# Altium PCB Mag256_9mm.PcbDoc (part 4 of 6) (continued)
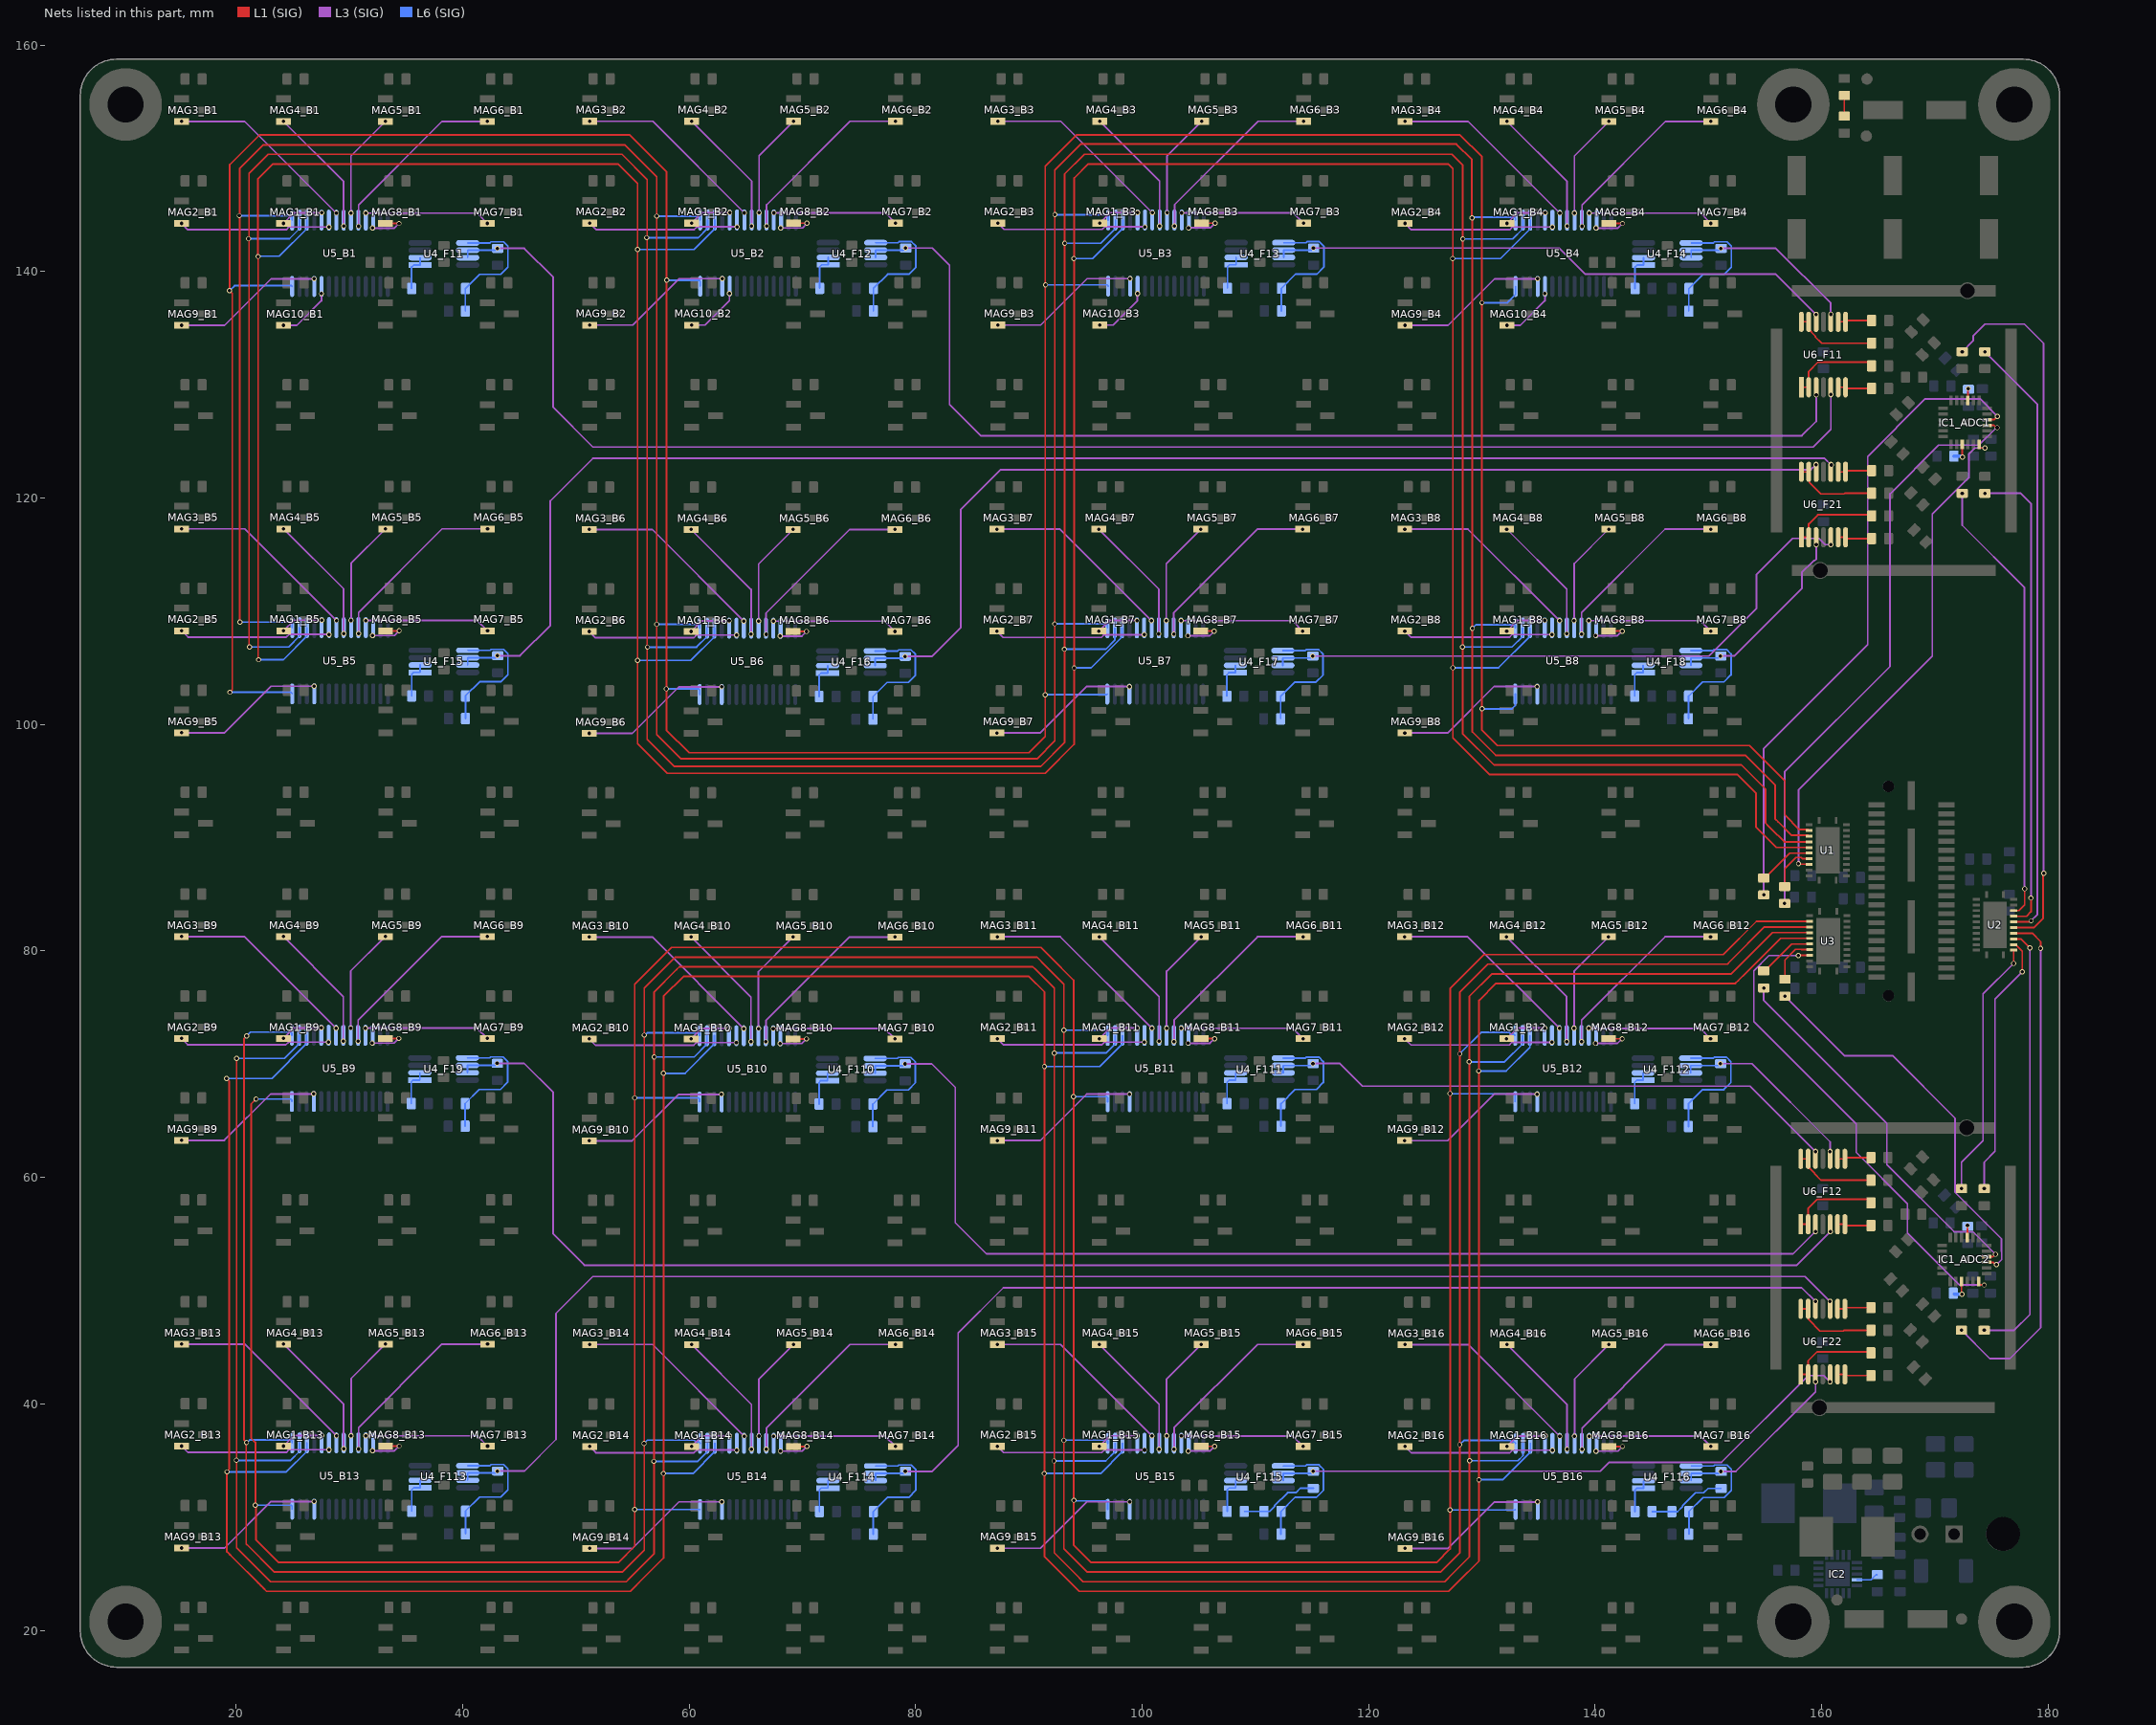
[diagram p8: the nets of this part, all layers, seen from the top]
## Nets (pads, with @x,y where several pads share a name; then routed paths per layer and width w, separated by ;. In a path a pad name is that pad's centre, name@x,y a point inside that pad or via, vN(x,y) a via of type N, cw(c..) or ccw(c..) an arc to the next point about the centre after c; other vN are vias at no path point) (continued)
NetU3_16: U3.16 U5_B9.15 U5_B10.15 U5_B11.15 U5_B12.15 U5_B13.15 U5_B14.15 U5_B15.15 U5_B16.15 | length 378.4
  L1 (SIG) w0.152: v1@20.898,36.597 20.898,27.647 21.147,27.397 23.147,25.397 23.397,25.148 54.103,25.148 54.353,25.397 56.045,27.09 56.045,76.706 58.295,78.955 58.544,79.205 58.794,79.455 90.706,79.455 90.956,79.205 91.205,78.955 93.095,77.066 93.095,27.199 94.897,25.397 95.147,25.148 126.353,25.148 126.603,25.397 128.045,26.84 128.045,76.34 130.536,78.831 151.67,78.831 151.92,79.08 154.951,82.112 U3.16@158.926,82.112 ; v1(20.922,36.597) 20.701,36.818 20.701,72.256 v1(20.945,72.5)
  L6 (SIG) w0.152: v1(20.922,36.597) 21.002,36.597 21.231,36.826 24.865,36.826 24.956,36.735 U5_B13.15@24.956,36.554 ; v1(20.945,72.5) 21.27,72.825 24.833,72.825 24.924,72.734 U5_B9.15@24.924,72.553 ; v1(56.023,36.5) 56.318,36.796 60.442,36.796 60.624,36.614 60.873,36.614 U5_B14.15@60.963,36.524 ; v1(56.053,72.561) 56.134,72.561 56.355,72.782 60.834,72.782 60.925,72.691 U5_B10.15@60.925,72.51 ; v1(93.083,73.002) 96.865,73.002 96.957,72.91 U5_B11.15@96.957,72.54 ; v1(93.105,36.776) 93.133,36.804 96.871,36.804 96.962,36.713 U5_B15.15@96.962,36.532 ; v1(128.044,36.394) 128.438,36.789 132.454,36.789 132.636,36.607 132.886,36.607 U5_B16.15@132.976,36.517 ; v1(128.047,70.911) 129.942,72.806 132.416,72.806 132.598,72.623 132.848,72.623 U5_B12.15@132.937,72.534
NetU3_17: U3.17 U5_B9.16 U5_B10.16 U5_B11.16 U5_B12.16 U5_B13.16 U5_B14.16 U5_B15.16 U5_B16.16 | length 389.6
  L1 (SIG) w0.152: v1@20.045,70.506 20.045,35.01 20.045,27.294 20.295,27.044 20.545,26.795 22.545,24.795 22.794,24.545 23.044,24.295 54.456,24.295 54.706,24.545 54.955,24.795 56.898,26.737 56.898,76.353 58.897,78.353 59.147,78.602 90.353,78.602 90.603,78.353 92.243,76.712 92.243,26.846 94.295,24.795 94.544,24.545 94.794,24.295 126.706,24.295 126.956,24.545 127.205,24.795 128.898,26.487 128.898,75.987 130.889,77.978 152.023,77.978 152.273,78.228 152.522,78.478 155.656,81.612 U3.17@158.926,81.612
  L6 (SIG) w0.152: v1(20.029,35.01) 24.812,35.01 25.606,35.804 U5_B13.16@25.606,36.554 ; v1(20.039,70.506) 24.277,70.506 25.574,71.803 U5_B9.16@25.574,72.553 ; v1(56.894,34.922) 60.762,34.922 61.613,35.774 U5_B14.16@61.613,36.524 ; v1(56.911,70.641) 60.457,70.641 61.575,71.76 U5_B10.16@61.575,72.51 ; v1(92.223,34.959) 96.789,34.959 97.612,35.782 U5_B15.16@97.612,36.532 ; v1(92.254,70.985) 96.802,70.985 97.607,71.79 U5_B11.16@97.607,72.54 ; v1(128.864,70.204) 132.008,70.204 133.587,71.784 U5_B12.16@133.587,72.534 ; v1(128.91,34.974) 133.172,34.974 133.626,35.427 U5_B16.16@133.626,36.517
NetU3_18: U3.18 U5_B9.17 U5_B10.17 U5_B11.17 U5_B12.17 U5_B13.17 U5_B14.17 U5_B15.17 U5_B16.17 | length 399
  L1 (SIG) w0.152: v1(19.162,68.742) 19.394,68.51 19.394,34.212 19.194,34.012 v1(19.194,33.993) ; v1(19.194,33.993) 19.193,26.941 19.442,26.691 19.692,26.441 19.942,26.192 21.942,24.192 22.191,23.942 22.441,23.692 22.691,23.443 54.809,23.443 55.059,23.692 55.309,23.942 55.558,24.192 57.75,26.384 57.75,76 59.5,77.75 90,77.75 91.391,76.359 91.391,26.493 93.692,24.192 93.941,23.942 94.191,23.692 94.441,23.443 127.059,23.443 127.309,23.692 127.559,23.942 127.808,24.192 129.75,26.134 129.75,75.634 131.242,77.126 152.376,77.126 152.626,77.376 152.875,77.625 153.125,77.875 156.362,81.112 U3.18@158.926,81.112
  L6 (SIG) w0.152: v1(19.162,68.742) 23.163,68.742 26.224,71.803 U5_B9.17@26.224,72.553 ; v1(19.194,33.993) 24.445,33.993 26.256,35.804 U5_B13.17@26.256,36.554 ; v1(57.721,69.188) 59.653,69.188 62.225,71.76 U5_B10.17@62.225,72.51 ; v1(57.736,33.858) 60.347,33.858 62.263,35.774 U5_B14.17@62.263,36.524 ; v1(91.359,33.854) 96.334,33.854 98.262,35.782 U5_B15.17@98.262,36.532 ; v1(91.376,69.785) 96.252,69.785 98.257,71.79 U5_B11.17@98.257,72.54 ; v1(129.727,69.396) 132.146,69.396 134.237,71.487 U5_B12.17@134.237,72.534 ; v1(129.741,33.302) 131.842,33.302 134.276,35.735 U5_B16.17@134.276,36.517
Out1: C53_F11.2 U4_F11.6 U4_F11.7 U6_F11.5 | length 138.8
  L3 (SIG) w0.152: v1(43.077,142.048) 45.452,142.048 48,139.5 48,128 51.5,124.5 159.25,124.5 160.811,126.061 160.811,129.139 v1(160.806,129.144)
  L6 (SIG) w0.152: U4_F11.7@40.45,141.225 U4_F11.6@40.45,141.875 42.904,141.875 v1(43.077,142.048)
Out2: C53_F12.2 U4_F12.6 U4_F12.7 U6_F11.3 | length 100.7
  L3 (SIG) w0.152: v1(79.106,142.066) 81.481,142.066 83,140.546 83,128.25 85.75,125.5 158.25,125.5 159.522,126.772 v1(159.522,129.118)
  L6 (SIG) w0.152: U4_F12.7@76.479,141.243 U4_F12.6@76.479,141.893 78.933,141.893 v1(79.106,142.066)
Out3: C53_F13.2 U4_F13.6 U4_F13.7 U6_F11.12 | length 50.2
  L3 (SIG) w0.152: v1(115.125,142.068) 136.815,142.068 139.124,139.759 155.961,139.759 v1(159.513,136.207)
  L6 (SIG) w0.152: U4_F13.7@112.498,141.245 U4_F13.6@112.498,141.895 114.952,141.895 v1(115.125,142.068)
Out4: C53_F14.2 U4_F14.6 U4_F14.7 U6_F11.10 | length 16
  L3 (SIG) w0.152: v1(151.1,142.048) 155.952,142.048 160.802,137.198 v1(160.802,136.223)
  L6 (SIG) w0.152: U4_F14.7@148.473,141.225 U4_F14.6@148.473,141.875 150.927,141.875 v1(151.1,142.048)
Out5: C53_F15.2 U4_F15.6 U4_F15.7 U6_F21.10 | length 135
  L3 (SIG) w0.152: v1(43.083,106.068) 45.068,106.068 47.75,108.75 47.75,119.75 51.5,123.5 160.249,123.5 v1@160.833,122.916
  L6 (SIG) w0.152: U4_F15.7@40.456,105.245 U4_F15.6@40.456,105.895 42.91,105.895 v1(43.083,106.068)
  other v1: 160.843,122.916
Out6: C53_F16.2 U4_F16.6 U4_F16.7 U6_F21.12 | length 96.9
  L3 (SIG) w0.152: v1(79.06,106.013) 81.435,106.013 84,108.578 84,119 87.5,122.5 159.054,122.5 v1(159.499,122.945)
  L6 (SIG) w0.152: U4_F16.7@76.434,105.19 U4_F16.6@76.434,105.84 78.887,105.84 v1(79.06,106.013)
Out7: C53_F17.2 U4_F17.6 U4_F17.7 U6_F21.5 | length 55.4
  L3 (SIG) w0.152: v1(115.056,106.044) 150.044,106.044 154.25,110.25 154.25,113.25 157.426,116.426 159.751,116.426 160.3,115.877 v1(160.819,115.877)
  L6 (SIG) w0.152: U4_F17.7@112.43,105.221 U4_F17.6@112.43,105.871 114.883,105.871 v1(115.056,106.044)
Out8: C53_F18.2 U4_F18.6 U4_F18.7 U6_F21.3 | length 17.4
  L3 (SIG) w0.152: v1(151.069,106.049) 152.292,106.049 158.25,112.007 158.25,113.422 159.15,114.323 cw(c159.876,113.597) 159.452,114.531 ccw(c159.401,114.641) 159.52,114.621 159.521,114.631 v1(159.521,115.871)
  L6 (SIG) w0.152: U4_F18.7@148.442,105.226 U4_F18.6@148.442,105.876 150.896,105.876 v1(151.069,106.049)
Out9: C53_F19.2 U4_F19.6 U4_F19.7 U6_F12.5 | length 137
  L3 (SIG) w0.152: v1(43.05,70.068) 45.425,70.068 48,67.493 48,55 50.75,52.25 157.816,52.25 v1(160.774,55.208)
  L6 (SIG) w0.152: U4_F19.7@40.423,69.245 U4_F19.6@40.423,69.895 42.877,69.895 v1(43.05,70.068)
Out10: C53_F110.2 U4_F110.6 U4_F110.7 U6_F12.3 | length 98.5
  L3 (SIG) w0.152: v1(79.051,70.025) 81.426,70.025 83.5,67.951 83.5,56 86.25,53.25 157.476,53.25 v1(159.442,55.216)
  L6 (SIG) w0.152: U4_F110.7@76.424,69.202 U4_F110.6@76.424,69.852 78.878,69.852 v1(79.051,70.025)
Out11: C53_F111.2 U4_F111.6 U4_F111.7 U6_F12.12 | length 50.9
  L3 (SIG) w0.152: v1(115.082,70.055) 117.457,70.055 119.46,68.051 153.68,68.051 v1(159.455,62.276)
  L6 (SIG) w0.152: U4_F111.7@112.456,69.232 U4_F111.6@112.456,69.882 114.909,69.882 v1(115.082,70.055)
Out12: C53_F112.2 U4_F112.6 U4_F112.7 U6_F12.10 | length 16.8
  L3 (SIG) w0.152: v1(151.063,70.049) 153.834,70.049 160.746,63.137 v1(160.746,62.27)
  L6 (SIG) w0.152: U4_F112.7@148.436,69.226 U4_F112.6@148.436,69.876 150.89,69.876 v1(151.063,70.049)
Out13: C53_F113.2 U4_F113.6 U4_F113.7 U6_F22.10 | length 135.6
  L3 (SIG) w0.152: v1(43.082,34.069) 45.457,34.069 48.25,36.862 48.25,48 51.5,51.25 158.526,51.25 v1(160.743,49.032)
  L6 (SIG) w0.152: U4_F113.7@40.455,33.246 U4_F113.6@40.455,33.896 42.909,33.896 v1(43.082,34.069)
Out14: C53_F114.2 U4_F114.6 U4_F114.7 U6_F22.12 | length 96.7
  L3 (SIG) w0.152: v1(79.089,34.039) 81.464,34.039 83.75,36.325 83.75,46.25 87.75,50.25 158.235,50.25 v1(159.447,49.038)
  L6 (SIG) w0.152: U4_F114.7@76.462,33.216 U4_F114.6@76.462,33.866 78.916,33.866 v1(79.089,34.039)
Out15: C53_F115.2 U4_F115.6 U4_F115.7 U6_F22.5 | length 52.7
  L3 (SIG) w0.152: v1(115.088,34.047) 140.457,34.047 141.249,34.839 151.156,34.839 158.815,42.498 160.188,42.498 v1(160.742,41.943)
  L6 (SIG) w0.152: U4_F115.7@112.461,33.224 U4_F115.6@112.461,33.874 114.915,33.874 v1(115.088,34.047)
Out16: C53_F116.2 U4_F116.6 U4_F116.7 U6_F22.3 | length 15.5
  L3 (SIG) w0.152: v1(151.101,34.032) 152.414,34.032 159.452,41.069 v1(159.452,41.943)
  L6 (SIG) w0.152: U4_F116.7@148.474,33.209 U4_F116.6@148.474,33.859 150.928,33.859 v1(151.101,34.032)
REFCAP_ADC1: C18_ADC1.2 IC1_ADC1.15 | length 1.9
  L1 (SIG) w0.152: IC1_ADC1.15@172.406,124.719 172.406,123.632 v1(172.433,123.605)
  L6 (SIG) w0.3: C18_ADC1.2@171.681,123.694 172.325,123.694 172.414,123.605 v1(172.433,123.605)
REFCAP_ADC2: C18_ADC2.2 IC1_ADC2.15 | length 1.9
  L1 (SIG) w0.152: IC1_ADC2.15@172.35,50.8 172.35,49.713 v1(172.377,49.686)
  L6 (SIG) w0.152: C18_ADC2.2@171.625,49.775 C18_ADC2.2@171.714,49.686
  L6 (SIG) w0.3: C18_ADC2.2@171.714,49.686 v1(172.377,49.686)
REGCAP_ADC1: C23_ADC1.2 IC1_ADC1.3 | length 1.1
  L1 (SIG) w0.152: IC1_ADC1.3@172.906,128.619 172.919,128.631 172.919,129.656 v1(172.931,129.669)
REGCAP_ADC2: C23_ADC2.2 IC1_ADC2.3 | length 1.1
  L1 (SIG) w0.152: IC1_ADC2.3@172.85,54.7 172.862,54.712 172.862,55.738 v1(172.875,55.75)
S1_B1: MAG1_B1.2 U5_B1.19 | length 3.7
  L3 (SIG) w0.152: v1(24.2,144.25) 25.134,145.184 v1(27.559,145.184)
S1_B2: MAG1_B2.2 U5_B2.19 | length 3.7
  L3 (SIG) w0.152: v1(60.229,144.268) 61.163,145.202 v1(63.588,145.202)
S1_B3: MAG1_B3.2 U5_B3.19 | length 3.7
  L3 (SIG) w0.152: v1(96.248,144.27) 97.182,145.204 v1(99.607,145.204)
S1_B4: MAG1_B4.2 U5_B4.19 | length 3.7
  L3 (SIG) w0.152: v1(132.223,144.25) 133.157,145.184 v1(135.582,145.184)
S1_B5: MAG1_B5.2 U5_B5.19 | length 3.7
  L3 (SIG) w0.152: v1(24.206,108.27) 25.14,109.204 v1(27.565,109.204)
S1_B6: MAG1_B6.2 U5_B6.19 | length 3.7
  L3 (SIG) w0.152: v1(60.183,108.215) 61.118,109.149 v1(63.543,109.149)
S1_B7: MAG1_B7.2 U5_B7.19 | length 3.7
  L3 (SIG) w0.152: v1(96.179,108.246) 97.113,109.181 v1(99.538,109.181)
S1_B8: MAG1_B8.2 U5_B8.19 | length 3.7
  L3 (SIG) w0.152: v1(132.192,108.251) 133.126,109.185 v1(135.551,109.185)
S1_B9: MAG1_B9.2 U5_B9.19 | length 3.7
  L3 (SIG) w0.152: v1(24.173,72.27) 25.107,73.204 v1(27.532,73.204)
S1_B10: MAG1_B10.2 U5_B10.19 | length 3.7
  L3 (SIG) w0.152: v1(60.174,72.227) 61.108,73.161 v1(63.533,73.161)
S1_B11: MAG1_B11.2 U5_B11.19 | length 3.7
  L3 (SIG) w0.152: v1(96.205,72.257) 97.14,73.191 v1(99.565,73.191)
S1_B12: MAG1_B12.2 U5_B12.19 | length 3.7
  L3 (SIG) w0.152: v1(132.186,72.251) 133.12,73.185 v1(135.545,73.185)
S1_B13: MAG1_B13.2 U5_B13.19 | length 3.7
  L3 (SIG) w0.152: v1(24.205,36.271) 25.139,37.205 v1(27.564,37.205)
S1_B14: MAG1_B14.2 U5_B14.19 | length 3.7
  L3 (SIG) w0.152: v1(60.212,36.241) 61.146,37.175 v1(63.571,37.175)
S1_B15: MAG1_B15.2 U5_B15.19 | length 3.7
  L3 (SIG) w0.152: v1(96.211,36.249) 97.145,37.183 v1(99.57,37.183)
S1_B16: MAG1_B16.2 U5_B16.19 | length 3.7
  L3 (SIG) w0.152: v1(132.224,36.234) 133.158,37.168 v1(135.583,37.168)
S2_B1: MAG2_B1.2 U5_B1.20 | length 13.3
  L3 (SIG) w0.152: v1(15.2,144.25) 15.755,143.695 24.43,143.695 24.666,143.931 v1(28.201,143.931)
S2_B2: MAG2_B2.2 U5_B2.20 | length 13.3
  L3 (SIG) w0.152: v1(51.229,144.268) 51.784,143.712 60.459,143.712 60.695,143.949 v1(64.23,143.949)
S2_B3: MAG2_B3.2 U5_B3.20 | length 13.3
  L3 (SIG) w0.152: v1(87.248,144.27) 87.803,143.714 96.478,143.714 96.714,143.951 v1(100.249,143.951)
S2_B4: MAG2_B4.2 U5_B4.20 | length 13.3
  L3 (SIG) w0.152: v1(123.223,144.25) 123.778,143.695 132.453,143.695 132.689,143.931 v1(136.224,143.931)
S2_B5: MAG2_B5.2 U5_B5.20 | length 13.3
  L3 (SIG) w0.152: v1(15.206,108.27) 15.761,107.715 24.436,107.715 24.672,107.951 v1(28.207,107.951)
S2_B6: MAG2_B6.2 U5_B6.20 | length 13.3
  L3 (SIG) w0.152: v1(51.183,108.215) 51.739,107.66 60.413,107.66 60.65,107.896 v1(64.184,107.896)
S2_B7: MAG2_B7.2 U5_B7.20 | length 13.3
  L3 (SIG) w0.152: v1(87.179,108.246) 87.734,107.691 96.409,107.691 96.645,107.927 v1(100.18,107.927)
S2_B8: MAG2_B8.2 U5_B8.20 | length 13.3
  L3 (SIG) w0.152: v1(123.192,108.251) 123.747,107.696 132.422,107.696 132.658,107.932 v1(136.192,107.932)
S2_B9: MAG2_B9.2 U5_B9.20 | length 13.3
  L3 (SIG) w0.152: v1(15.173,72.27) 15.728,71.715 24.403,71.715 24.639,71.951 v1(28.174,71.951)
S2_B10: MAG2_B10.2 U5_B10.20 | length 13.3
  L3 (SIG) w0.152: v1(51.174,72.227) 51.729,71.672 60.404,71.672 60.64,71.908 v1(64.175,71.908)
S2_B11: MAG2_B11.2 U5_B11.20 | length 13.3
  L3 (SIG) w0.152: v1(87.205,72.257) 87.76,71.701 96.435,71.701 96.671,71.938 v1(100.206,71.938)
S2_B12: MAG2_B12.2 U5_B12.20 | length 13.3
  L3 (SIG) w0.152: v1(123.186,72.251) 123.741,71.695 132.416,71.695 132.652,71.932 v1(136.187,71.932)
S2_B13: MAG2_B13.2 U5_B13.20 | length 13.3
  L3 (SIG) w0.152: v1(15.205,36.271) 15.76,35.716 24.435,35.716 24.671,35.952 v1(28.206,35.952)
S2_B14: MAG2_B14.2 U5_B14.20 | length 13.3
  L3 (SIG) w0.152: v1(51.212,36.241) 51.767,35.686 60.442,35.686 60.678,35.922 v1(64.213,35.922)
S2_B15: MAG2_B15.2 U5_B15.20 | length 13.3
  L3 (SIG) w0.152: v1(87.211,36.249) 87.766,35.694 96.441,35.694 96.677,35.93 v1(100.212,35.93)
S2_B16: MAG2_B16.2 U5_B16.20 | length 13.3
  L3 (SIG) w0.152: v1(123.224,36.234) 123.779,35.678 132.454,35.678 132.69,35.915 v1(136.225,35.915)
S3_B1: MAG3_B1.2 U5_B1.21 | length 17
  L3 (SIG) w0.152: v1(15.2,153.25) 20.769,153.25 v1(28.857,145.162)
S3_B2: MAG3_B2.2 U5_B2.21 | length 17
  L3 (SIG) w0.152: v1(51.229,153.268) 56.798,153.268 v1(64.886,145.18)
S3_B3: MAG3_B3.2 U5_B3.21 | length 17
  L3 (SIG) w0.152: v1(87.248,153.27) 92.817,153.27 v1(100.905,145.181)
S3_B4: MAG3_B4.2 U5_B4.21 | length 17
  L3 (SIG) w0.152: v1(123.223,153.25) 128.792,153.25 v1(136.88,145.162)
S3_B5: MAG3_B5.2 U5_B5.21 | length 17
  L3 (SIG) w0.152: v1(15.206,117.27) 20.775,117.27 v1(28.863,109.182)
S3_B6: MAG3_B6.2 U5_B6.21 | length 17
  L3 (SIG) w0.152: v1(51.183,117.215) 56.753,117.215 v1(64.841,109.127)
S3_B7: MAG3_B7.2 U5_B7.21 | length 17
  L3 (SIG) w0.152: v1(87.179,117.246) 92.748,117.246 v1(100.836,109.158)
S3_B8: MAG3_B8.2 U5_B8.21 | length 17
  L3 (SIG) w0.152: v1(123.192,117.251) 128.761,117.251 v1(136.849,109.163)
S3_B9: MAG3_B9.2 U5_B9.21 | length 17
  L3 (SIG) w0.152: v1(15.173,81.27) 20.742,81.27 v1(28.83,73.182)
S3_B10: MAG3_B10.2 U5_B10.21 | length 17
  L3 (SIG) w0.152: v1(51.174,81.227) 56.743,81.227 v1(64.831,73.139)
S3_B11: MAG3_B11.2 U5_B11.21 | length 17
  L3 (SIG) w0.152: v1(87.205,81.257) 92.774,81.257 v1(100.863,73.168)
S3_B12: MAG3_B12.2 U5_B12.21 | length 17
  L3 (SIG) w0.152: v1(123.186,81.251) 128.755,81.251 v1(136.843,73.162)
S3_B13: MAG3_B13.2 U5_B13.21 | length 17
  L3 (SIG) w0.152: v1(15.205,45.271) 20.774,45.271 v1(28.862,37.183)
S3_B14: MAG3_B14.2 U5_B14.21 | length 17
  L3 (SIG) w0.152: v1(51.212,45.241) 56.781,45.241 v1(64.869,37.153)
S3_B15: MAG3_B15.2 U5_B15.21 | length 17
  L3 (SIG) w0.152: v1(87.211,45.249) 92.78,45.249 v1(100.868,37.161)
S3_B16: MAG3_B16.2 U5_B16.21 | length 17
  L3 (SIG) w0.152: v1(123.224,45.234) 128.793,45.234 v1(136.881,37.146)
S4_B1: MAG4_B1.2 U5_B1.22 | length 11.4
  L3 (SIG) w0.152: v1(24.2,153.25) 29.495,147.955 v1(29.495,144.006)
S4_B2: MAG4_B2.2 U5_B2.22 | length 11.4
  L3 (SIG) w0.152: v1(60.229,153.268) 65.524,147.972 v1(65.524,144.024)
S4_B3: MAG4_B3.2 U5_B3.22 | length 11.4
  L3 (SIG) w0.152: v1(96.248,153.27) 101.543,147.974 v1(101.543,144.026)
S4_B4: MAG4_B4.2 U5_B4.22 | length 11.4
  L3 (SIG) w0.152: v1(132.223,153.25) 137.518,147.955 v1(137.518,144.006)
S4_B5: MAG4_B5.2 U5_B5.22 | length 11.4
  L3 (SIG) w0.152: v1(24.206,117.27) 29.501,111.975 v1(29.501,108.026)
S4_B6: MAG4_B6.2 U5_B6.22 | length 11.4
  L3 (SIG) w0.152: v1(60.183,117.215) 65.479,111.92 v1(65.479,107.971)
S4_B7: MAG4_B7.2 U5_B7.22 | length 11.4
  L3 (SIG) w0.152: v1(96.179,117.246) 101.475,111.951 v1(101.475,108.002)
S4_B8: MAG4_B8.2 U5_B8.22 | length 11.4
  L3 (SIG) w0.152: v1(132.192,117.251) 137.487,111.956 v1(137.487,108.007)
S4_B9: MAG4_B9.2 U5_B9.22 | length 11.4
  L3 (SIG) w0.152: v1(24.173,81.27) 29.468,75.975 v1(29.468,72.026)
S4_B10: MAG4_B10.2 U5_B10.22 | length 11.4
  L3 (SIG) w0.152: v1(60.174,81.227) 65.469,75.932 v1(65.469,71.983)
S4_B11: MAG4_B11.2 U5_B11.22 | length 11.4
  L3 (SIG) w0.152: v1(96.205,81.257) 101.501,75.961 v1(101.501,72.013)
S4_B12: MAG4_B12.2 U5_B12.22 | length 11.4
  L3 (SIG) w0.152: v1(132.186,81.251) 137.481,75.955 v1(137.481,72.007)
S4_B13: MAG4_B13.2 U5_B13.22 | length 11.4
  L3 (SIG) w0.152: v1(24.205,45.271) 29.5,39.976 v1(29.5,36.027)
S4_B14: MAG4_B14.2 U5_B14.22 | length 11.4
  L3 (SIG) w0.152: v1(60.212,45.241) 65.507,39.945 v1(65.507,35.997)
S4_B15: MAG4_B15.2 U5_B15.22 | length 11.4
  L3 (SIG) w0.152: v1(96.211,45.249) 101.506,39.954 v1(101.506,36.005)
S4_B16: MAG4_B16.2 U5_B16.22 | length 11.4
  L3 (SIG) w0.152: v1(132.224,45.234) 137.52,39.938 v1(137.52,35.99)
S5_B1: MAG5_B1.2 U5_B1.23 | length 9.3
  L3 (SIG) w0.152: v1(30.153,145.166) 30.153,150.203 v1(33.2,153.25)
S5_B2: MAG5_B2.2 U5_B2.23 | length 9.3
  L3 (SIG) w0.152: v1(66.182,145.184) 66.182,150.22 v1(69.229,153.268)
S5_B3: MAG5_B3.2 U5_B3.23 | length 9.3
  L3 (SIG) w0.152: v1(102.201,145.185) 102.201,150.222 v1(105.248,153.27)
S5_B4: MAG5_B4.2 U5_B4.23 | length 9.3
  L3 (SIG) w0.152: v1(138.176,145.166) 138.176,150.203 v1(141.223,153.25)
S5_B5: MAG5_B5.2 U5_B5.23 | length 9.3
  L3 (SIG) w0.152: v1(30.159,109.186) 30.159,114.223 v1(33.206,117.27)
S5_B6: MAG5_B6.2 U5_B6.23 | length 9.3
  L3 (SIG) w0.152: v1(66.136,109.131) 66.136,114.168 v1(69.183,117.215)
S5_B7: MAG5_B7.2 U5_B7.23 | length 9.3
  L3 (SIG) w0.152: v1(102.132,109.162) 102.132,114.199 v1(105.179,117.246)
S5_B8: MAG5_B8.2 U5_B8.23 | length 9.3
  L3 (SIG) w0.152: v1(138.144,109.167) 138.144,114.204 v1(141.192,117.251)
S5_B9: MAG5_B9.2 U5_B9.23 | length 9.3
  L3 (SIG) w0.152: v1(30.126,73.186) 30.126,78.223 v1(33.173,81.27)
S5_B10: MAG5_B10.2 U5_B10.23 | length 9.3
  L3 (SIG) w0.152: v1(66.127,73.143) 66.127,78.18 v1(69.174,81.227)
S5_B11: MAG5_B11.2 U5_B11.23 | length 9.3
  L3 (SIG) w0.152: v1(102.158,73.172) 102.158,78.209 v1(105.205,81.257)
S5_B12: MAG5_B12.2 U5_B12.23 | length 9.3
  L3 (SIG) w0.152: v1(138.139,73.166) 138.139,78.203 v1(141.186,81.251)
S5_B13: MAG5_B13.2 U5_B13.23 | length 9.3
  L3 (SIG) w0.152: v1(30.158,37.187) 30.158,42.224 v1(33.205,45.271)
S5_B14: MAG5_B14.2 U5_B14.23 | length 9.3
  L3 (SIG) w0.152: v1(66.165,37.157) 66.165,42.194 v1(69.212,45.241)
S5_B15: MAG5_B15.2 U5_B15.23 | length 9.3
  L3 (SIG) w0.152: v1(102.164,37.165) 102.164,42.202 v1(105.211,45.249)
S5_B16: MAG5_B16.2 U5_B16.23 | length 9.3
  L3 (SIG) w0.152: v1(138.177,37.15) 138.177,42.187 v1(141.224,45.234)
S6_B1: MAG6_B1.2 U5_B1.24 | length 16.3
  L3 (SIG) w0.152: v1(30.814,143.995) 30.814,145.879 38.185,153.25 v1(42.2,153.25)
S6_B2: MAG6_B2.2 U5_B2.24 | length 16.3
  L3 (SIG) w0.152: v1(66.842,144.013) 66.842,145.897 74.213,153.268 v1(78.229,153.268)
S6_B3: MAG6_B3.2 U5_B3.24 | length 16.3
  L3 (SIG) w0.152: v1(102.861,144.014) 102.861,145.899 110.232,153.27 v1(114.248,153.27)
S6_B4: MAG6_B4.2 U5_B4.24 | length 16.3
  L3 (SIG) w0.152: v1(138.837,143.995) 138.837,145.879 146.208,153.25 v1(150.223,153.25)
S6_B5: MAG6_B5.2 U5_B5.24 | length 16.3
  L3 (SIG) w0.152: v1(30.82,108.015) 30.82,109.899 38.191,117.27 v1(42.206,117.27)
S6_B6: MAG6_B6.2 U5_B6.24 | length 16.3
  L3 (SIG) w0.152: v1(66.797,107.96) 66.797,109.844 74.168,117.215 v1(78.183,117.215)
S6_B7: MAG6_B7.2 U5_B7.24 | length 16.3
  L3 (SIG) w0.152: v1(102.793,107.991) 102.793,109.875 110.164,117.246 v1(114.179,117.246)
S6_B8: MAG6_B8.2 U5_B8.24 | length 16.3
  L3 (SIG) w0.152: v1(138.805,107.996) 138.805,109.88 146.176,117.251 v1(150.192,117.251)
S6_B9: MAG6_B9.2 U5_B9.24 | length 16.3
  L3 (SIG) w0.152: v1(30.787,72.015) 30.787,73.899 38.158,81.27 v1(42.173,81.27)
S6_B10: MAG6_B10.2 U5_B10.24 | length 16.3
  L3 (SIG) w0.152: v1(66.788,71.972) 66.788,73.856 74.159,81.227 v1(78.174,81.227)
S6_B11: MAG6_B11.2 U5_B11.24 | length 16.3
  L3 (SIG) w0.152: v1(102.819,72.002) 102.819,73.886 110.19,81.257 v1(114.205,81.257)
S6_B12: MAG6_B12.2 U5_B12.24 | length 16.3
  L3 (SIG) w0.152: v1(138.8,71.995) 138.8,73.88 146.171,81.251 v1(150.186,81.251)
S6_B13: MAG6_B13.2 U5_B13.24 | length 16.3
  L3 (SIG) w0.152: v1(30.819,36.016) 30.819,37.9 38.19,45.271 v1(42.205,45.271)
S6_B14: MAG6_B14.2 U5_B14.24 | length 16.3
  L3 (SIG) w0.152: v1(66.825,35.986) 66.825,37.87 74.196,45.241 v1(78.212,45.241)
S6_B15: MAG6_B15.2 U5_B15.24 | length 16.3
  L3 (SIG) w0.152: v1(102.824,35.994) 102.824,37.878 110.195,45.249 v1(114.211,45.249)
S6_B16: MAG6_B16.2 U5_B16.24 | length 16.3
  L3 (SIG) w0.152: v1(138.838,35.979) 138.838,37.863 146.209,45.234 v1(150.224,45.234)
S7_B1: MAG7_B1.2 U5_B1.25 | length 11.1
  L3 (SIG) w0.152: v1(31.455,145.16) 41.29,145.16 v1(42.2,144.25)
S7_B2: MAG7_B2.2 U5_B2.25 | length 11.1
  L3 (SIG) w0.152: v1(67.483,145.178) 77.319,145.178 v1(78.229,144.268)
S7_B3: MAG7_B3.2 U5_B3.25 | length 11.1
  L3 (SIG) w0.152: v1(103.502,145.18) 113.337,145.18 v1(114.248,144.27)
S7_B4: MAG7_B4.2 U5_B4.25 | length 11.1
  L3 (SIG) w0.152: v1(139.478,145.16) 149.313,145.16 v1(150.223,144.25)
S7_B5: MAG7_B5.2 U5_B5.25 | length 11.1
  L3 (SIG) w0.152: v1(31.461,109.18) 41.296,109.18 v1(42.206,108.27)
S7_B6: MAG7_B6.2 U5_B6.25 | length 11.1
  L3 (SIG) w0.152: v1(67.438,109.125) 77.273,109.125 v1(78.183,108.215)
S7_B7: MAG7_B7.2 U5_B7.25 | length 11.1
  L3 (SIG) w0.152: v1(103.434,109.157) 113.269,109.157 v1(114.179,108.246)
S7_B8: MAG7_B8.2 U5_B8.25 | length 11.1
  L3 (SIG) w0.152: v1(139.446,109.161) 149.281,109.161 v1(150.192,108.251)
S7_B9: MAG7_B9.2 U5_B9.25 | length 11.1
  L3 (SIG) w0.152: v1(31.428,73.18) 41.263,73.18 v1(42.173,72.27)
S7_B10: MAG7_B10.2 U5_B10.25 | length 11.1
  L3 (SIG) w0.152: v1(67.429,73.137) 77.264,73.137 v1(78.174,72.227)
S7_B11: MAG7_B11.2 U5_B11.25 | length 11.1
  L3 (SIG) w0.152: v1(103.46,73.167) 113.295,73.167 v1(114.205,72.257)
S7_B12: MAG7_B12.2 U5_B12.25 | length 11.1
  L3 (SIG) w0.152: v1(139.441,73.161) 149.276,73.161 v1(150.186,72.251)
S7_B13: MAG7_B13.2 U5_B13.25 | length 11.1
  L3 (SIG) w0.152: v1(31.46,37.181) 41.295,37.181 v1(42.205,36.271)
S7_B14: MAG7_B14.2 U5_B14.25 | length 11.1
  L3 (SIG) w0.152: v1(67.466,37.151) 77.302,37.151 v1(78.212,36.241)
S7_B15: MAG7_B15.2 U5_B15.25 | length 11.1
  L3 (SIG) w0.152: v1(103.465,37.159) 113.301,37.159 v1(114.211,36.249)
S7_B16: MAG7_B16.2 U5_B16.25 | length 11.1
  L3 (SIG) w0.152: v1(139.479,37.144) 149.314,37.144 v1(150.224,36.234)
S8_B1: MAG8_B1.2 U5_B1.26 | length 3.7
  L1 (SIG) w0.152: MAG8_B1.2@33.2,144.25 33.203,144.247 v1(34.39,144.247)
  L3 (SIG) w0.152: v1(32.051,143.838) 33.981,143.838 v1(34.39,144.247)
S8_B2: MAG8_B2.2 U5_B2.26 | length 3.7
  L1 (SIG) w0.152: MAG8_B2.2@69.229,144.268 69.232,144.264 v1(70.419,144.264)
  L3 (SIG) w0.152: v1(68.079,143.856) 70.01,143.856 v1(70.419,144.264)
S8_B3: MAG8_B3.2 U5_B3.26 | length 3.7
  L1 (SIG) w0.152: MAG8_B3.2@105.248,144.27 105.251,144.266 v1(106.438,144.266)
  L3 (SIG) w0.152: v1(104.098,143.858) 106.029,143.858 v1(106.438,144.266)
S8_B4: MAG8_B4.2 U5_B4.26 | length 3.7
  L1 (SIG) w0.152: MAG8_B4.2@141.223,144.25 141.226,144.247 v1(142.413,144.247)
  L3 (SIG) w0.152: v1(140.073,143.838) 142.004,143.838 v1(142.413,144.247)
S8_B5: MAG8_B5.2 U5_B5.26 | length 3.7
  L1 (SIG) w0.152: MAG8_B5.2@33.206,108.27 33.209,108.267 v1(34.396,108.267)
  L3 (SIG) w0.152: v1(32.056,107.858) 33.987,107.858 v1(34.396,108.267)
S8_B6: MAG8_B6.2 U5_B6.26 | length 3.7
  L1 (SIG) w0.152: MAG8_B6.2@69.183,108.215 69.187,108.212 v1(70.374,108.212)
  L3 (SIG) w0.152: v1(68.034,107.803) 69.965,107.803 v1(70.374,108.212)
S8_B7: MAG8_B7.2 U5_B7.26 | length 3.7
  L1 (SIG) w0.152: MAG8_B7.2@105.179,108.246 105.182,108.243 v1(106.369,108.243)
  L3 (SIG) w0.152: v1(104.03,107.834) 105.961,107.834 v1(106.369,108.243)
S8_B8: MAG8_B8.2 U5_B8.26 | length 3.7
  L1 (SIG) w0.152: MAG8_B8.2@141.192,108.251 141.195,108.248 v1(142.382,108.248)
  L3 (SIG) w0.152: v1(140.042,107.839) 141.973,107.839 v1(142.382,108.248)
S8_B9: MAG8_B9.2 U5_B9.26 | length 3.7
  L1 (SIG) w0.152: MAG8_B9.2@33.173,72.27 33.176,72.267 v1(34.363,72.267)
  L3 (SIG) w0.152: v1(32.024,71.858) 33.955,71.858 v1(34.363,72.267)
S8_B10: MAG8_B10.2 U5_B10.26 | length 3.7
  L1 (SIG) w0.152: MAG8_B10.2@69.174,72.227 69.177,72.224 v1(70.364,72.224)
  L3 (SIG) w0.152: v1(68.025,71.815) 69.955,71.815 v1(70.364,72.224)
S8_B11: MAG8_B11.2 U5_B11.26 | length 3.7
  L1 (SIG) w0.152: MAG8_B11.2@105.205,72.257 105.208,72.253 v1(106.395,72.253)
  L3 (SIG) w0.152: v1(104.056,71.845) 105.987,71.845 v1(106.395,72.253)
S8_B12: MAG8_B12.2 U5_B12.26 | length 3.7
  L1 (SIG) w0.152: MAG8_B12.2@141.186,72.251 141.189,72.247 v1(142.376,72.247)
  L3 (SIG) w0.152: v1(140.037,71.839) 141.967,71.839 v1(142.376,72.247)
S8_B13: MAG8_B13.2 U5_B13.26 | length 3.7
  L1 (SIG) w0.152: MAG8_B13.2@33.205,36.271 33.208,36.268 v1(34.395,36.268)
  L3 (SIG) w0.152: v1(32.055,35.859) 33.986,35.859 v1(34.395,36.268)
S8_B14: MAG8_B14.2 U5_B14.26 | length 3.7
  L1 (SIG) w0.152: MAG8_B14.2@69.212,36.241 69.215,36.238 v1(70.402,36.238)
  L3 (SIG) w0.152: v1(68.062,35.829) 69.993,35.829 v1(70.402,36.238)
S8_B15: MAG8_B15.2 U5_B15.26 | length 3.7
  L1 (SIG) w0.152: MAG8_B15.2@105.211,36.249 105.214,36.246 v1(106.401,36.246)
  L3 (SIG) w0.152: v1(104.061,35.837) 105.992,35.837 v1(106.401,36.246)
S8_B16: MAG8_B16.2 U5_B16.26 | length 3.7
  L1 (SIG) w0.152: MAG8_B16.2@141.224,36.234 141.227,36.23 v1(142.414,36.23)
  L3 (SIG) w0.152: v1(140.075,35.822) 142.006,35.822 v1(142.414,36.23)
S9_B1: MAG9_B1.2 U5_B1.11 | length 13.4
  L3 (SIG) w0.152: v1(15.2,135.25) 18.993,135.25 23.095,139.351 v1(26.888,139.351)
S9_B2: MAG9_B2.2 U5_B2.11 | length 13.4
  L3 (SIG) w0.152: v1(51.229,135.268) 55.022,135.268 59.123,139.369 v1(62.917,139.369)
S9_B3: MAG9_B3.2 U5_B3.11 | length 13.4
  L3 (SIG) w0.152: v1(87.248,135.27) 91.041,135.27 95.142,139.371 v1(98.936,139.371)
S9_B4: MAG9_B4.2 U5_B4.11 | length 13.4
  L3 (SIG) w0.152: v1(123.223,135.25) 127.016,135.25 131.118,139.351 v1(134.911,139.351)
S9_B5: MAG9_B5.2 U5_B5.11 | length 13.4
  L3 (SIG) w0.152: v1(15.206,99.27) 18.999,99.27 23.101,103.371 v1(26.894,103.371)
S9_B6: MAG9_B6.2 U5_B6.11 | length 13.4
  L3 (SIG) w0.152: v1(51.183,99.215) 54.977,99.215 59.078,103.317 v1(62.871,103.317)
S9_B7: MAG9_B7.2 U5_B7.11 | length 13.4
  L3 (SIG) w0.152: v1(87.179,99.246) 90.972,99.246 95.074,103.348 v1(98.867,103.348)
S9_B8: MAG9_B8.2 U5_B8.11 | length 13.4
  L3 (SIG) w0.152: v1(123.192,99.251) 126.985,99.251 131.086,103.352 v1(134.88,103.352)
S9_B9: MAG9_B9.2 U5_B9.11 | length 13.4
  L3 (SIG) w0.152: v1(15.173,63.27) 18.966,63.27 23.068,67.372 v1(26.861,67.372)
S9_B10: MAG9_B10.2 U5_B10.11 | length 13.4
  L3 (SIG) w0.152: v1(51.174,63.227) 54.967,63.227 59.069,67.328 v1(62.862,67.328)
S9_B11: MAG9_B11.2 U5_B11.11 | length 13.4
  L3 (SIG) w0.152: v1(87.205,63.257) 90.999,63.257 95.1,67.358 v1(98.893,67.358)
S9_B12: MAG9_B12.2 U5_B12.11 | length 13.4
  L3 (SIG) w0.152: v1(123.186,63.251) 126.979,63.251 131.081,67.352 v1(134.874,67.352)
S9_B13: MAG9_B13.2 U5_B13.11 | length 13.4
  L3 (SIG) w0.152: v1(15.205,27.271) 18.998,27.271 23.1,31.372 v1(26.893,31.372)
S9_B14: MAG9_B14.2 U5_B14.11 | length 13.4
  L3 (SIG) w0.152: v1(51.212,27.241) 55.005,27.241 59.106,31.342 v1(62.9,31.342)
S9_B15: MAG9_B15.2 U5_B15.11 | length 13.4
  L3 (SIG) w0.152: v1(87.211,27.249) 91.004,27.249 95.105,31.35 v1(98.899,31.35)
S9_B16: MAG9_B16.2 U5_B16.11 | length 13.4
  L3 (SIG) w0.152: v1(123.224,27.234) 127.017,27.234 131.119,31.335 v1(134.912,31.335)
S10_B1: MAG10_B1.2 U5_B1.10 | length 4.9
  L3 (SIG) w0.152: v1(24.2,135.25) 25.379,135.25 27.541,137.412 v1(27.541,138.046)
S10_B2: MAG10_B2.2 U5_B2.10 | length 4.9
  L3 (SIG) w0.152: v1(60.229,135.268) 61.407,135.268 63.57,137.43 v1(63.57,138.063)
S10_B3: MAG10_B3.2 U5_B3.10 | length 4.9
  L3 (SIG) w0.152: v1(96.248,135.27) 97.426,135.27 99.589,137.432 v1(99.589,138.065)
S10_B4: MAG10_B4.2 U5_B4.10 | length 4.9
  L3 (SIG) w0.152: v1(132.223,135.25) 133.402,135.25 135.564,137.412 v1(135.564,138.046)